# Altium PCB CFD_V1.03.PcbDoc (part 3 of 10)
Units mm, origin at the board's own origin, x right, y up, seen from the top; angles counter-clockwise.
Board outline 96.25 x 362.25 mm, 6 copper layers (Top, L2, L3, L4, L5, Bot), stack 1.496 mm thick; 1353 components, 761 nets, 4147 pads, 1354 vias.
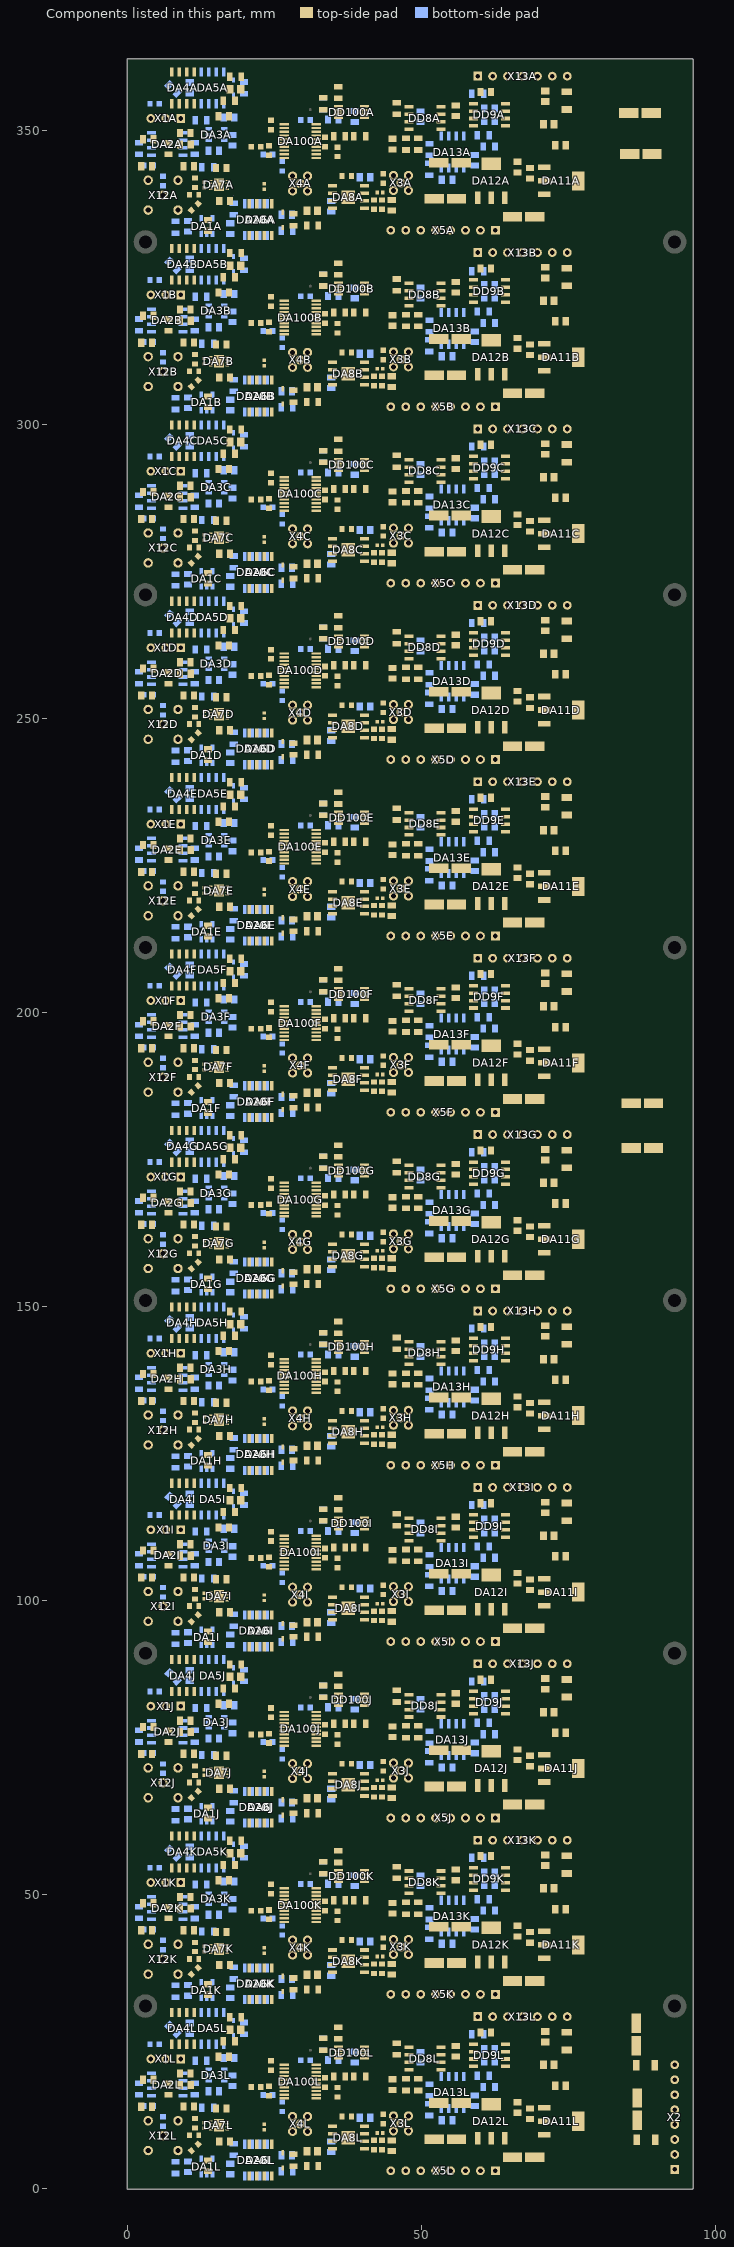
[diagram p7: the components of this part, seen from the top]

## Components (designator, comment, footprint, x,y, rotation, side; value= is the part's Value field where it differs from the comment) (continued)
R16I "10k" RESC2012X60N 28.191,94.775 r90 top (schematic designator R16)
R16J "10k" RESC2012X60N 28.191,64.775 r90 top (schematic designator R16)
R16K "10k" RESC2012X60N 28.191,34.775 r90 top (schematic designator R16)
R16L "10k" RESC2012X60N 28.191,4.775 r90 top (schematic designator R16)
R17A "10k" RESC2012X60N 19.779,357.203 r90 bottom (schematic designator R17)
R17B "10k" RESC2012X60N 19.779,327.203 r90 bottom (schematic designator R17)
R17C "10k" RESC2012X60N 19.779,297.203 r90 bottom (schematic designator R17)
R17D "10k" RESC2012X60N 19.779,267.203 r90 bottom (schematic designator R17)
R17E "10k" RESC2012X60N 19.779,237.203 r90 bottom (schematic designator R17)
R17F "10k" RESC2012X60N 19.779,207.203 r90 bottom (schematic designator R17)
R17G "10k" RESC2012X60N 19.779,177.203 r90 bottom (schematic designator R17)
R17H "10k" RESC2012X60N 19.779,147.203 r90 bottom (schematic designator R17)
R17I "10k" RESC2012X60N 19.779,117.203 r90 bottom (schematic designator R17)
R17J "10k" RESC2012X60N 19.779,87.203 r90 bottom (schematic designator R17)
R17K "10k" RESC2012X60N 19.779,57.203 r90 bottom (schematic designator R17)
R17L "10k" RESC2012X60N 19.779,27.203 r90 bottom (schematic designator R17)
R18A "200" RESC2012X60N 61.449,347.228 r0 bottom (schematic designator R18)
R18B "200" RESC2012X60N 61.449,317.228 r0 bottom (schematic designator R18)
R18C "200" RESC2012X60N 61.449,287.228 r0 bottom (schematic designator R18)
R18D "200" RESC2012X60N 61.449,257.228 r0 bottom (schematic designator R18)
R18E "200" RESC2012X60N 61.449,227.228 r0 bottom (schematic designator R18)
R18F "200" RESC2012X60N 61.449,197.228 r0 bottom (schematic designator R18)
R18G "200" RESC2012X60N 61.449,167.228 r0 bottom (schematic designator R18)
R18H "200" RESC2012X60N 61.449,137.228 r0 bottom (schematic designator R18)
R18I "200" RESC2012X60N 61.449,107.228 r0 bottom (schematic designator R18)
R18J "200" RESC2012X60N 61.449,77.228 r0 bottom (schematic designator R18)
R18K "200" RESC2012X60N 61.449,47.228 r0 bottom (schematic designator R18)
R18L "200" RESC2012X60N 61.449,17.228 r0 bottom (schematic designator R18)
R19A "510" RESC1608X55N 41.883,337.351 r270 top (schematic designator R19)
R19B "510" RESC1608X55N 41.883,307.351 r270 top (schematic designator R19)
R19C "510" RESC1608X55N 41.883,277.351 r270 top (schematic designator R19)
R19D "510" RESC1608X55N 41.883,247.351 r270 top (schematic designator R19)
R19E "510" RESC1608X55N 41.883,217.351 r270 top (schematic designator R19)
R19F "510" RESC1608X55N 41.883,187.351 r270 top (schematic designator R19)
R19G "510" RESC1608X55N 41.883,157.351 r270 top (schematic designator R19)
R19H "510" RESC1608X55N 41.883,127.351 r270 top (schematic designator R19)
R19I "510" RESC1608X55N 41.883,97.351 r270 top (schematic designator R19)
R19J "510" RESC1608X55N 41.883,67.351 r270 top (schematic designator R19)
R19K "510" RESC1608X55N 41.883,37.351 r270 top (schematic designator R19)
R19L "510" RESC1608X55N 41.883,7.351 r270 top (schematic designator R19)
R21A "120" RESC1608X55N 43.235,337.351 r90 top (schematic designator R21)
R21B "120" RESC1608X55N 43.235,307.351 r90 top (schematic designator R21)
R21C "120" RESC1608X55N 43.235,277.351 r90 top (schematic designator R21)
R21D "120" RESC1608X55N 43.235,247.351 r90 top (schematic designator R21)
R21E "120" RESC1608X55N 43.235,217.351 r90 top (schematic designator R21)
R21F "120" RESC1608X55N 43.235,187.351 r90 top (schematic designator R21)
R21G "120" RESC1608X55N 43.235,157.351 r90 top (schematic designator R21)
R21H "120" RESC1608X55N 43.235,127.351 r90 top (schematic designator R21)
R21I "120" RESC1608X55N 43.235,97.351 r90 top (schematic designator R21)
R21J "120" RESC1608X55N 43.235,67.351 r90 top (schematic designator R21)
R21K "120" RESC1608X55N 43.235,37.351 r90 top (schematic designator R21)
R21L "120" RESC1608X55N 43.235,7.351 r90 top (schematic designator R21)
R25A "20" RESC2012X60N 12.448,351.681 r0 bottom (schematic designator R25)
R25B "20" RESC2012X60N 12.448,321.681 r0 bottom (schematic designator R25)
R25C "20" RESC2012X60N 12.448,291.681 r0 bottom (schematic designator R25)
R25D "20" RESC2012X60N 12.448,261.681 r0 bottom (schematic designator R25)
R25E "20" RESC2012X60N 12.448,231.681 r0 bottom (schematic designator R25)
R25F "20" RESC2012X60N 12.448,201.681 r0 bottom (schematic designator R25)
R25G "20" RESC2012X60N 12.448,171.681 r0 bottom (schematic designator R25)
R25H "20" RESC2012X60N 12.448,141.681 r0 bottom (schematic designator R25)
R25I "20" RESC2012X60N 12.448,111.681 r0 bottom (schematic designator R25)
R25J "20" RESC2012X60N 12.448,81.681 r0 bottom (schematic designator R25)
R25K "20" RESC2012X60N 12.448,51.681 r0 bottom (schematic designator R25)
R25L "20" RESC2012X60N 12.448,21.681 r0 bottom (schematic designator R25)
R28A "20k" RESC2012X60N 51.285,346.72 r90 bottom (schematic designator R28)
R28B "20k" RESC2012X60N 51.285,316.72 r90 bottom (schematic designator R28)
R28C "20k" RESC2012X60N 51.285,286.72 r90 bottom (schematic designator R28)
R28D "20k" RESC2012X60N 51.285,256.72 r90 bottom (schematic designator R28)
R28E "20k" RESC2012X60N 51.285,226.72 r90 bottom (schematic designator R28)
R28F "20k" RESC2012X60N 51.285,196.72 r90 bottom (schematic designator R28)
R28G "20k" RESC2012X60N 51.285,166.72 r90 bottom (schematic designator R28)
R28H "20k" RESC2012X60N 51.285,136.72 r90 bottom (schematic designator R28)
R28I "20k" RESC2012X60N 51.285,106.72 r90 bottom (schematic designator R28)
R28J "20k" RESC2012X60N 51.285,76.72 r90 bottom (schematic designator R28)
R28K "20k" RESC2012X60N 51.285,46.72 r90 bottom (schematic designator R28)
R28L "20k" RESC2012X60N 51.285,16.72 r90 bottom (schematic designator R28)
R29A "33k" RESC2012X60N 51.27,343.379 r90 bottom (schematic designator R29)
R29B "33k" RESC2012X60N 51.27,313.379 r90 bottom (schematic designator R29)
R29C "33k" RESC2012X60N 51.27,283.379 r90 bottom (schematic designator R29)
R29D "33k" RESC2012X60N 51.27,253.379 r90 bottom (schematic designator R29)
R29E "33k" RESC2012X60N 51.27,223.379 r90 bottom (schematic designator R29)
R29F "33k" RESC2012X60N 51.27,193.379 r90 bottom (schematic designator R29)
R29G "33k" RESC2012X60N 51.27,163.379 r90 bottom (schematic designator R29)
R29H "33k" RESC2012X60N 51.27,133.379 r90 bottom (schematic designator R29)
R29I "33k" RESC2012X60N 51.27,103.379 r90 bottom (schematic designator R29)
R29J "33k" RESC2012X60N 51.27,73.379 r90 bottom (schematic designator R29)
R29K "33k" RESC2012X60N 51.27,43.379 r90 bottom (schematic designator R29)
R29L "33k" RESC2012X60N 51.27,13.379 r90 bottom (schematic designator R29)
R39A "510" RESC1005X40N 23.215,340.429 r270 top (schematic designator R39)
R39B "510" RESC1005X40N 23.215,310.429 r270 top (schematic designator R39)
R39C "510" RESC1005X40N 23.215,280.429 r270 top (schematic designator R39)
R39D "510" RESC1005X40N 23.215,250.429 r270 top (schematic designator R39)
R39E "510" RESC1005X40N 23.215,220.429 r270 top (schematic designator R39)
R39F "510" RESC1005X40N 23.215,190.429 r270 top (schematic designator R39)
R39G "510" RESC1005X40N 23.215,160.429 r270 top (schematic designator R39)
R39H "510" RESC1005X40N 23.215,130.429 r270 top (schematic designator R39)
R39I "510" RESC1005X40N 23.215,100.429 r270 top (schematic designator R39)
R39J "510" RESC1005X40N 23.215,70.429 r270 top (schematic designator R39)
R39K "510" RESC1005X40N 23.215,40.429 r270 top (schematic designator R39)
R39L "510" RESC1005X40N 23.215,10.429 r270 top (schematic designator R39)
R40A "27" RESC1608X64N 11.421,341.037 r270 top (schematic designator R40)
R40B "27" RESC1608X64N 11.421,311.037 r270 top (schematic designator R40)
R40C "27" RESC1608X64N 11.421,281.037 r270 top (schematic designator R40)
R40D "27" RESC1608X64N 11.421,251.037 r270 top (schematic designator R40)
R40E "27" RESC1608X64N 11.421,221.037 r270 top (schematic designator R40)
R40F "27" RESC1608X64N 11.421,191.037 r270 top (schematic designator R40)
R40G "27" RESC1608X64N 11.421,161.037 r270 top (schematic designator R40)
R40H "27" RESC1608X64N 11.421,131.037 r270 top (schematic designator R40)
R40I "27" RESC1608X64N 11.421,101.037 r270 top (schematic designator R40)
R40J "27" RESC1608X64N 11.421,71.037 r270 top (schematic designator R40)
R40K "27" RESC1608X64N 11.421,41.037 r270 top (schematic designator R40)
R40L "27" RESC1608X64N 11.421,11.037 r270 top (schematic designator R40)
R41A "51" RESC2012X60N 13.61,343.697 r180 bottom (schematic designator R41)
R41B "51" RESC2012X60N 13.61,313.697 r180 bottom (schematic designator R41)
R41C "51" RESC2012X60N 13.61,283.697 r180 bottom (schematic designator R41)
R41D "51" RESC2012X60N 13.61,253.697 r180 bottom (schematic designator R41)
R41E "51" RESC2012X60N 13.61,223.697 r180 bottom (schematic designator R41)
R41F "51" RESC2012X60N 13.61,193.697 r180 bottom (schematic designator R41)
R41G "51" RESC2012X60N 13.61,163.697 r180 bottom (schematic designator R41)
R41H "51" RESC2012X60N 13.61,133.697 r180 bottom (schematic designator R41)
R41I "51" RESC2012X60N 13.61,103.697 r180 bottom (schematic designator R41)
R41J "51" RESC2012X60N 13.61,73.697 r180 bottom (schematic designator R41)
R41K "51" RESC2012X60N 13.61,43.697 r180 bottom (schematic designator R41)
R41L "51" RESC2012X60N 13.61,13.697 r180 bottom (schematic designator R41)
R42A "10k" RESC2012X60N 27.062,332.89 r180 bottom (schematic designator R42)
R42B "10k" RESC2012X60N 27.062,302.89 r180 bottom (schematic designator R42)
R42C "10k" RESC2012X60N 27.062,272.89 r180 bottom (schematic designator R42)
R42D "10k" RESC2012X60N 27.062,242.89 r180 bottom (schematic designator R42)
R42E "10k" RESC2012X60N 27.062,212.89 r180 bottom (schematic designator R42)
R42F "10k" RESC2012X60N 27.062,182.89 r180 bottom (schematic designator R42)
R42G "10k" RESC2012X60N 27.062,152.89 r180 bottom (schematic designator R42)
R42H "10k" RESC2012X60N 27.062,122.89 r180 bottom (schematic designator R42)
R42I "10k" RESC2012X60N 27.062,92.89 r180 bottom (schematic designator R42)
R42J "10k" RESC2012X60N 27.062,62.89 r180 bottom (schematic designator R42)
R42K "10k" RESC2012X60N 27.062,32.89 r180 bottom (schematic designator R42)
R42L "10k" RESC2012X60N 27.062,2.89 r180 bottom (schematic designator R42)
R43A "1k" RESC2012X60N 31.41,333.796 r0 top (schematic designator R43)
R43B "1k" RESC2012X60N 31.41,303.796 r0 top (schematic designator R43)
R43C "1k" RESC2012X60N 31.41,273.796 r0 top (schematic designator R43)
R43D "1k" RESC2012X60N 31.41,243.796 r0 top (schematic designator R43)
R43E "1k" RESC2012X60N 31.41,213.796 r0 top (schematic designator R43)
R43F "1k" RESC2012X60N 31.41,183.796 r0 top (schematic designator R43)
R43G "1k" RESC2012X60N 31.41,153.796 r0 top (schematic designator R43)
R43H "1k" RESC2012X60N 31.41,123.796 r0 top (schematic designator R43)
R43I "1k" RESC2012X60N 31.41,93.796 r0 top (schematic designator R43)
R43J "1k" RESC2012X60N 31.41,63.796 r0 top (schematic designator R43)
R43K "1k" RESC2012X60N 31.41,33.796 r0 top (schematic designator R43)
R43L "1k" RESC2012X60N 31.41,3.796 r0 top (schematic designator R43)
R44A "200" RESC2012X60N 60.45,349.16 r0 bottom (schematic designator R44)
R44B "200" RESC2012X60N 60.45,319.16 r0 bottom (schematic designator R44)
R44C "200" RESC2012X60N 60.45,289.16 r0 bottom (schematic designator R44)
R44D "200" RESC2012X60N 60.45,259.16 r0 bottom (schematic designator R44)
R44E "200" RESC2012X60N 60.45,229.16 r0 bottom (schematic designator R44)
R44F "200" RESC2012X60N 60.45,199.16 r0 bottom (schematic designator R44)
R44G "200" RESC2012X60N 60.45,169.16 r0 bottom (schematic designator R44)
R44H "200" RESC2012X60N 60.45,139.16 r0 bottom (schematic designator R44)
R44I "200" RESC2012X60N 60.45,109.16 r0 bottom (schematic designator R44)
R44J "200" RESC2012X60N 60.45,79.16 r0 bottom (schematic designator R44)
R44K "200" RESC2012X60N 60.45,49.16 r0 bottom (schematic designator R44)
R44L "200" RESC2012X60N 60.45,19.16 r0 bottom (schematic designator R44)
R45A "510" RESC1608X55N 4.561,354.508 r180 bottom (schematic designator R45)
R45B "510" RESC1608X55N 4.561,324.508 r180 bottom (schematic designator R45)
R45C "510" RESC1608X55N 4.561,294.508 r180 bottom (schematic designator R45)
R45D "510" RESC1608X55N 4.561,264.508 r180 bottom (schematic designator R45)
R45E "510" RESC1608X55N 4.561,234.508 r180 bottom (schematic designator R45)
R45F "510" RESC1608X55N 4.561,204.508 r180 bottom (schematic designator R45)
R45G "510" RESC1608X55N 4.561,174.508 r180 bottom (schematic designator R45)
R45H "510" RESC1608X55N 4.561,144.508 r180 bottom (schematic designator R45)
R45I "510" RESC1608X55N 4.561,114.508 r180 bottom (schematic designator R45)
R45J "510" RESC1608X55N 4.561,84.508 r180 bottom (schematic designator R45)
R45K "510" RESC1608X55N 4.561,54.508 r180 bottom (schematic designator R45)
R45L "510" RESC1608X55N 4.561,24.508 r180 bottom (schematic designator R45)
R48A "360" RESC2012X60N 1.907,346.9 r90 bottom (schematic designator R48)
R48B "360" RESC2012X60N 1.907,316.9 r90 bottom (schematic designator R48)
R48C "360" RESC2012X60N 1.907,286.9 r90 bottom (schematic designator R48)
R48D "360" RESC2012X60N 1.907,256.9 r90 bottom (schematic designator R48)
R48E "360" RESC2012X60N 1.907,226.9 r90 bottom (schematic designator R48)
R48F "360" RESC2012X60N 1.907,196.9 r90 bottom (schematic designator R48)
R48G "360" RESC2012X60N 1.907,166.9 r90 bottom (schematic designator R48)
R48H "360" RESC2012X60N 1.907,136.9 r90 bottom (schematic designator R48)
R48I "360" RESC2012X60N 1.907,106.9 r90 bottom (schematic designator R48)
R48J "360" RESC2012X60N 1.907,76.9 r90 bottom (schematic designator R48)
R48K "360" RESC2012X60N 1.907,46.9 r90 bottom (schematic designator R48)
R48L "360" RESC2012X60N 1.907,16.9 r90 bottom (schematic designator R48)
R50A "510" RESC1608X55N 5.994,341.37 r90 bottom (schematic designator R50)
R50B "510" RESC1608X55N 5.994,311.37 r90 bottom (schematic designator R50)
R50C "510" RESC1608X55N 5.994,281.37 r90 bottom (schematic designator R50)
R50D "510" RESC1608X55N 5.994,251.37 r90 bottom (schematic designator R50)
R50E "510" RESC1608X55N 5.994,221.37 r90 bottom (schematic designator R50)
R50F "510" RESC1608X55N 5.994,191.37 r90 bottom (schematic designator R50)
R50G "510" RESC1608X55N 5.994,161.37 r90 bottom (schematic designator R50)
R50H "510" RESC1608X55N 5.994,131.37 r90 bottom (schematic designator R50)
R50I "510" RESC1608X55N 5.994,101.37 r90 bottom (schematic designator R50)
R50J "510" RESC1608X55N 5.994,71.37 r90 bottom (schematic designator R50)
R50K "510" RESC1608X55N 5.994,41.37 r90 bottom (schematic designator R50)
R50L "510" RESC1608X55N 5.994,11.37 r90 bottom (schematic designator R50)
R300A "51" RESC2012X60N 33.237,354.509 r90 top (schematic designator R300)
R300B "51" RESC2012X60N 33.237,324.509 r90 top (schematic designator R300)
R300C "51" RESC2012X60N 33.237,294.509 r90 top (schematic designator R300)
R300D "51" RESC2012X60N 33.237,264.509 r90 top (schematic designator R300)
R300E "51" RESC2012X60N 33.237,234.509 r90 top (schematic designator R300)
R300F "51" RESC2012X60N 33.237,204.509 r90 top (schematic designator R300)
R300G "51" RESC2012X60N 33.237,174.509 r90 top (schematic designator R300)
R300H "51" RESC2012X60N 33.237,144.509 r90 top (schematic designator R300)
R300I "51" RESC2012X60N 33.237,114.509 r90 top (schematic designator R300)
R300J "51" RESC2012X60N 33.237,84.509 r90 top (schematic designator R300)
R300K "51" RESC2012X60N 33.237,54.509 r90 top (schematic designator R300)
R300L "51" RESC2012X60N 33.237,24.509 r90 top (schematic designator R300)
R301A "51" RESC2012X60N 35.779,356.414 r90 top (schematic designator R301)
R301B "51" RESC2012X60N 35.779,326.414 r90 top (schematic designator R301)
R301C "51" RESC2012X60N 35.779,296.414 r90 top (schematic designator R301)
R301D "51" RESC2012X60N 35.779,266.414 r90 top (schematic designator R301)
R301E "51" RESC2012X60N 35.779,236.414 r90 top (schematic designator R301)
R301F "51" RESC2012X60N 35.779,206.414 r90 top (schematic designator R301)
R301G "51" RESC2012X60N 35.779,176.414 r90 top (schematic designator R301)
R301H "51" RESC2012X60N 35.779,146.414 r90 top (schematic designator R301)
R301I "51" RESC2012X60N 35.779,116.414 r90 top (schematic designator R301)
R301J "51" RESC2012X60N 35.779,86.414 r90 top (schematic designator R301)
R301K "51" RESC2012X60N 35.779,56.414 r90 top (schematic designator R301)
R301L "51" RESC2012X60N 35.779,26.414 r90 top (schematic designator R301)
R302A "51" RESC2012X60N 36.012,348.997 r180 top (schematic designator R302)
R302B "51" RESC2012X60N 36.012,318.997 r180 top (schematic designator R302)
R302C "51" RESC2012X60N 36.012,288.997 r180 top (schematic designator R302)
R302D "51" RESC2012X60N 36.012,258.997 r180 top (schematic designator R302)
R302E "51" RESC2012X60N 36.012,228.997 r180 top (schematic designator R302)
R302F "51" RESC2012X60N 36.012,198.997 r180 top (schematic designator R302)
R302G "51" RESC2012X60N 36.012,168.997 r180 top (schematic designator R302)
R302H "51" RESC2012X60N 36.012,138.997 r180 top (schematic designator R302)
R302I "51" RESC2012X60N 36.012,108.997 r180 top (schematic designator R302)
R302J "51" RESC2012X60N 36.012,78.997 r180 top (schematic designator R302)
R302K "51" RESC2012X60N 36.012,48.997 r180 top (schematic designator R302)
R302L "51" RESC2012X60N 36.012,18.997 r180 top (schematic designator R302)
R303A "51" RESC2012X60N 39.452,348.996 r0 top (schematic designator R303)
R303B "51" RESC2012X60N 39.452,318.996 r0 top (schematic designator R303)
R303C "51" RESC2012X60N 39.452,288.996 r0 top (schematic designator R303)
R303D "51" RESC2012X60N 39.452,258.996 r0 top (schematic designator R303)
R303E "51" RESC2012X60N 39.452,228.996 r0 top (schematic designator R303)
R303F "51" RESC2012X60N 39.452,198.996 r0 top (schematic designator R303)
R303G "51" RESC2012X60N 39.452,168.996 r0 top (schematic designator R303)
R303H "51" RESC2012X60N 39.452,138.996 r0 top (schematic designator R303)
R303I "51" RESC2012X60N 39.452,108.996 r0 top (schematic designator R303)
R303J "51" RESC2012X60N 39.452,78.996 r0 top (schematic designator R303)
R303K "51" RESC2012X60N 39.452,48.996 r0 top (schematic designator R303)
R303L "51" RESC2012X60N 39.452,18.996 r0 top (schematic designator R303)
R304A "100" RESC1608X55N 37.239,342.21 r180 top (schematic designator R304)
R304B "100" RESC1608X55N 37.239,312.21 r180 top (schematic designator R304)
R304C "100" RESC1608X55N 37.239,282.21 r180 top (schematic designator R304)
R304D "100" RESC1608X55N 37.239,252.21 r180 top (schematic designator R304)
R304E "100" RESC1608X55N 37.239,222.21 r180 top (schematic designator R304)
R304F "100" RESC1608X55N 37.239,192.21 r180 top (schematic designator R304)
R304G "100" RESC1608X55N 37.239,162.21 r180 top (schematic designator R304)
R304H "100" RESC1608X55N 37.239,132.21 r180 top (schematic designator R304)
R304I "100" RESC1608X55N 37.239,102.21 r180 top (schematic designator R304)
R304J "100" RESC1608X55N 37.239,72.21 r180 top (schematic designator R304)
R304K "100" RESC1608X55N 37.239,42.21 r180 top (schematic designator R304)
R304L "100" RESC1608X55N 37.239,12.21 r180 top (schematic designator R304)
R306A "100" RESC1005X35N 42.861,339.417 r180 top (schematic designator R306)
R306B "100" RESC1005X35N 42.861,309.417 r180 top (schematic designator R306)
R306C "100" RESC1005X35N 42.861,279.417 r180 top (schematic designator R306)
R306D "100" RESC1005X35N 42.861,249.417 r180 top (schematic designator R306)
R306E "100" RESC1005X35N 42.861,219.417 r180 top (schematic designator R306)
R306F "100" RESC1005X35N 42.861,189.417 r180 top (schematic designator R306)
R306G "100" RESC1005X35N 42.861,159.417 r180 top (schematic designator R306)
R306H "100" RESC1005X35N 42.861,129.417 r180 top (schematic designator R306)
R306I "100" RESC1005X35N 42.861,99.417 r180 top (schematic designator R306)
R306J "100" RESC1005X35N 42.861,69.417 r180 top (schematic designator R306)
R306K "100" RESC1005X35N 42.861,39.417 r180 top (schematic designator R306)
R306L "100" RESC1005X35N 42.861,9.417 r180 top (schematic designator R306)
R400A "51" RESC2012X60N 33.215,354.504 r90 bottom (schematic designator R400)
R400B "51" RESC2012X60N 33.215,324.504 r90 bottom (schematic designator R400)
R400C "51" RESC2012X60N 33.215,294.504 r90 bottom (schematic designator R400)
R400D "51" RESC2012X60N 33.215,264.504 r90 bottom (schematic designator R400)
R400E "51" RESC2012X60N 33.215,234.504 r90 bottom (schematic designator R400)
R400F "51" RESC2012X60N 33.215,204.504 r90 bottom (schematic designator R400)
R400G "51" RESC2012X60N 33.215,174.504 r90 bottom (schematic designator R400)
R400H "51" RESC2012X60N 33.215,144.504 r90 bottom (schematic designator R400)
R400I "51" RESC2012X60N 33.215,114.504 r90 bottom (schematic designator R400)
R400J "51" RESC2012X60N 33.215,84.504 r90 bottom (schematic designator R400)
R400K "51" RESC2012X60N 33.215,54.504 r90 bottom (schematic designator R400)
R400L "51" RESC2012X60N 33.215,24.504 r90 bottom (schematic designator R400)
R401A "16" RESC1608X64N 26.259,343.842 r90 bottom (schematic designator R401)
R401B "16" RESC1608X64N 26.259,313.842 r90 bottom (schematic designator R401)
R401C "16" RESC1608X64N 26.259,283.842 r90 bottom (schematic designator R401)
R401D "16" RESC1608X64N 26.259,253.842 r90 bottom (schematic designator R401)
R401E "16" RESC1608X64N 26.259,223.842 r90 bottom (schematic designator R401)
R401F "16" RESC1608X64N 26.259,193.842 r90 bottom (schematic designator R401)
R401G "16" RESC1608X64N 26.259,163.842 r90 bottom (schematic designator R401)
R401H "16" RESC1608X64N 26.259,133.842 r90 bottom (schematic designator R401)
R401I "16" RESC1608X64N 26.259,103.842 r90 bottom (schematic designator R401)
R401J "16" RESC1608X64N 26.259,73.842 r90 bottom (schematic designator R401)
R401K "16" RESC1608X64N 26.259,43.842 r90 bottom (schematic designator R401)
R401L "16" RESC1608X64N 26.259,13.842 r90 bottom (schematic designator R401)
R403A "51" RESC2012X60N 59.506,356.211 r180 bottom (schematic designator R403)
R403B "51" RESC2012X60N 59.511,326.029 r180 bottom (schematic designator R403)
R403C "51" RESC2012X60N 59.506,296.211 r180 bottom (schematic designator R403)
R403D "51" RESC2012X60N 59.506,266.211 r180 bottom (schematic designator R403)
R403E "51" RESC2012X60N 59.506,236.211 r180 bottom (schematic designator R403)
R403F "51" RESC2012X60N 59.506,206.211 r180 bottom (schematic designator R403)
R403G "51" RESC2012X60N 59.506,176.211 r180 bottom (schematic designator R403)
R403H "51" RESC2012X60N 59.506,146.211 r180 bottom (schematic designator R403)
R403I "51" RESC2012X60N 59.506,116.211 r180 bottom (schematic designator R403)
R403J "51" RESC2012X60N 59.506,86.211 r180 bottom (schematic designator R403)
R403K "51" RESC2012X60N 59.506,56.211 r180 bottom (schematic designator R403)
R403L "51" RESC2012X60N 59.506,26.211 r180 bottom (schematic designator R403)
VD1A "BAT15-03W" SOD2512X110N 18.008,357.234 r90 bottom (schematic designator VD1)
VD1B "BAT15-03W" SOD2512X110N 18.008,327.234 r90 bottom (schematic designator VD1)
VD1C "BAT15-03W" SOD2512X110N 18.008,297.234 r90 bottom (schematic designator VD1)
VD1D "BAT15-03W" SOD2512X110N 18.008,267.234 r90 bottom (schematic designator VD1)
VD1E "BAT15-03W" SOD2512X110N 18.008,237.234 r90 bottom (schematic designator VD1)
VD1F "BAT15-03W" SOD2512X110N 18.008,207.234 r90 bottom (schematic designator VD1)
VD1G "BAT15-03W" SOD2512X110N 18.008,177.234 r90 bottom (schematic designator VD1)
VD1H "BAT15-03W" SOD2512X110N 18.008,147.234 r90 bottom (schematic designator VD1)
VD1I "BAT15-03W" SOD2512X110N 18.008,117.234 r90 bottom (schematic designator VD1)
VD1J "BAT15-03W" SOD2512X110N 18.008,87.234 r90 bottom (schematic designator VD1)
VD1K "BAT15-03W" SOD2512X110N 18.008,57.234 r90 bottom (schematic designator VD1)
VD1L "BAT15-03W" SOD2512X110N 18.008,27.234 r90 bottom (schematic designator VD1)
VD2A "BAT15-03W" SOD2512X110N 26.354,334.757 r270 top (schematic designator VD2)
VD2B "BAT15-03W" SOD2512X110N 26.354,304.757 r270 top (schematic designator VD2)
VD2C "BAT15-03W" SOD2512X110N 26.354,274.757 r270 top (schematic designator VD2)
VD2D "BAT15-03W" SOD2512X110N 26.354,244.757 r270 top (schematic designator VD2)
VD2E "BAT15-03W" SOD2512X110N 26.354,214.757 r270 top (schematic designator VD2)
VD2F "BAT15-03W" SOD2512X110N 26.354,184.757 r270 top (schematic designator VD2)
VD2G "BAT15-03W" SOD2512X110N 26.354,154.757 r270 top (schematic designator VD2)
VD2H "BAT15-03W" SOD2512X110N 26.354,124.757 r270 top (schematic designator VD2)
VD2I "BAT15-03W" SOD2512X110N 26.354,94.757 r270 top (schematic designator VD2)
VD2J "BAT15-03W" SOD2512X110N 26.354,64.757 r270 top (schematic designator VD2)
VD2K "BAT15-03W" SOD2512X110N 26.354,34.757 r270 top (schematic designator VD2)
VD2L "BAT15-03W" SOD2512X110N 26.354,4.757 r270 top (schematic designator VD2)
X1A "Socket 3" SAMTEC_CES-103-01-T-S 9,352 r180 bottom (schematic designator X1)
X1B "Socket 3" SAMTEC_CES-103-01-T-S 9,322 r180 bottom (schematic designator X1)
X1C "Socket 3" SAMTEC_CES-103-01-T-S 9,292 r180 bottom (schematic designator X1)
X1D "Socket 3" SAMTEC_CES-103-01-T-S 9,262 r180 bottom (schematic designator X1)
X1E "Socket 3" SAMTEC_CES-103-01-T-S 9,232 r180 bottom (schematic designator X1)
X1F "Socket 3" SAMTEC_CES-103-01-T-S 9,202 r180 bottom (schematic designator X1)
X1G "Socket 3" SAMTEC_CES-103-01-T-S 9,172 r180 bottom (schematic designator X1)
X1H "Socket 3" SAMTEC_CES-103-01-T-S 9,142 r180 bottom (schematic designator X1)
X1I "Socket 3" SAMTEC_CES-103-01-T-S 9,112 r180 bottom (schematic designator X1)
X1J "Socket 3" SAMTEC_CES-103-01-T-S 9,82 r180 bottom (schematic designator X1)
X1K "Socket 3" SAMTEC_CES-103-01-T-S 9,52 r180 bottom (schematic designator X1)
X1L "Socket 3" SAMTEC_CES-103-01-T-S 9,22 r180 bottom (schematic designator X1)
X2 "Socket 8" SAMTEC_CES-108-01-T-S 93,12.111 r90 bottom
X3A "Coax_1Female_1Shield" SAMTEC_MMCX-J-P-H-ST-TH1 46.448,341.046 r90 top (schematic designator X3)
X3B "Coax_1Female_1Shield" SAMTEC_MMCX-J-P-H-ST-TH1 46.448,311.046 r90 top (schematic designator X3)
X3C "Coax_1Female_1Shield" SAMTEC_MMCX-J-P-H-ST-TH1 46.448,281.046 r90 top (schematic designator X3)
X3D "Coax_1Female_1Shield" SAMTEC_MMCX-J-P-H-ST-TH1 46.448,251.046 r90 top (schematic designator X3)
X3E "Coax_1Female_1Shield" SAMTEC_MMCX-J-P-H-ST-TH1 46.448,221.046 r90 top (schematic designator X3)
X3F "Coax_1Female_1Shield" SAMTEC_MMCX-J-P-H-ST-TH1 46.448,191.046 r90 top (schematic designator X3)
X3G "Coax_1Female_1Shield" SAMTEC_MMCX-J-P-H-ST-TH1 46.448,161.046 r90 top (schematic designator X3)
X3H "Coax_1Female_1Shield" SAMTEC_MMCX-J-P-H-ST-TH1 46.448,131.046 r90 top (schematic designator X3)
X3I "Coax_1Female_1Shield" SAMTEC_MMCX-J-P-H-ST-TH1 46.448,101.046 r90 top (schematic designator X3)
X3J "Coax_1Female_1Shield" SAMTEC_MMCX-J-P-H-ST-TH1 46.448,71.046 r90 top (schematic designator X3)
X3K "Coax_1Female_1Shield" SAMTEC_MMCX-J-P-H-ST-TH1 46.448,41.046 r90 top (schematic designator X3)
X3L "Coax_1Female_1Shield" SAMTEC_MMCX-J-P-H-ST-TH1 46.448,11.046 r90 top (schematic designator X3)
X4A "Coax_1Female_1Shield" SAMTEC_MMCX-J-P-H-ST-TH1 29.3,340.95 r90 top (schematic designator X4)
X4B "Coax_1Female_1Shield" SAMTEC_MMCX-J-P-H-ST-TH1 29.3,310.95 r90 top (schematic designator X4)
X4C "Coax_1Female_1Shield" SAMTEC_MMCX-J-P-H-ST-TH1 29.3,280.95 r90 top (schematic designator X4)
X4D "Coax_1Female_1Shield" SAMTEC_MMCX-J-P-H-ST-TH1 29.3,250.95 r90 top (schematic designator X4)
X4E "Coax_1Female_1Shield" SAMTEC_MMCX-J-P-H-ST-TH1 29.3,220.95 r90 top (schematic designator X4)
X4F "Coax_1Female_1Shield" SAMTEC_MMCX-J-P-H-ST-TH1 29.3,190.95 r90 top (schematic designator X4)
X4G "Coax_1Female_1Shield" SAMTEC_MMCX-J-P-H-ST-TH1 29.3,160.95 r90 top (schematic designator X4)
X4H "Coax_1Female_1Shield" SAMTEC_MMCX-J-P-H-ST-TH1 29.3,130.95 r90 top (schematic designator X4)
X4I "Coax_1Female_1Shield" SAMTEC_MMCX-J-P-H-ST-TH1 29.3,100.95 r90 top (schematic designator X4)
X4J "Coax_1Female_1Shield" SAMTEC_MMCX-J-P-H-ST-TH1 29.3,70.95 r90 top (schematic designator X4)
X4K "Coax_1Female_1Shield" SAMTEC_MMCX-J-P-H-ST-TH1 29.3,40.95 r90 top (schematic designator X4)
X4L "Coax_1Female_1Shield" SAMTEC_MMCX-J-P-H-ST-TH1 29.3,10.95 r90 top (schematic designator X4)
X5A "Socket 8" SAMTEC_CES-108-01-T-S 53.616,332.98 r180 bottom (schematic designator X5)
X5B "Socket 8" SAMTEC_CES-108-01-T-S 53.616,302.98 r180 bottom (schematic designator X5)
X5C "Socket 8" SAMTEC_CES-108-01-T-S 53.616,272.98 r180 bottom (schematic designator X5)
X5D "Socket 8" SAMTEC_CES-108-01-T-S 53.616,242.98 r180 bottom (schematic designator X5)
X5E "Socket 8" SAMTEC_CES-108-01-T-S 53.616,212.98 r180 bottom (schematic designator X5)
X5F "Socket 8" SAMTEC_CES-108-01-T-S 53.616,182.98 r180 bottom (schematic designator X5)
X5G "Socket 8" SAMTEC_CES-108-01-T-S 53.616,152.98 r180 bottom (schematic designator X5)
X5H "Socket 8" SAMTEC_CES-108-01-T-S 53.616,122.98 r180 bottom (schematic designator X5)
X5I "Socket 8" SAMTEC_CES-108-01-T-S 53.616,92.98 r180 bottom (schematic designator X5)
X5J "Socket 8" SAMTEC_CES-108-01-T-S 53.616,62.98 r180 bottom (schematic designator X5)
X5K "Socket 8" SAMTEC_CES-108-01-T-S 53.616,32.98 r180 bottom (schematic designator X5)
X5L "Socket 8" SAMTEC_CES-108-01-T-S 53.616,2.98 r180 bottom (schematic designator X5)
X12A "LEMO 00" LEMO_EPL.00.250.NTN 6,338.96 r180 top (schematic designator X12)